# KiCad board MW601_KB.kicad_pcb (continued)
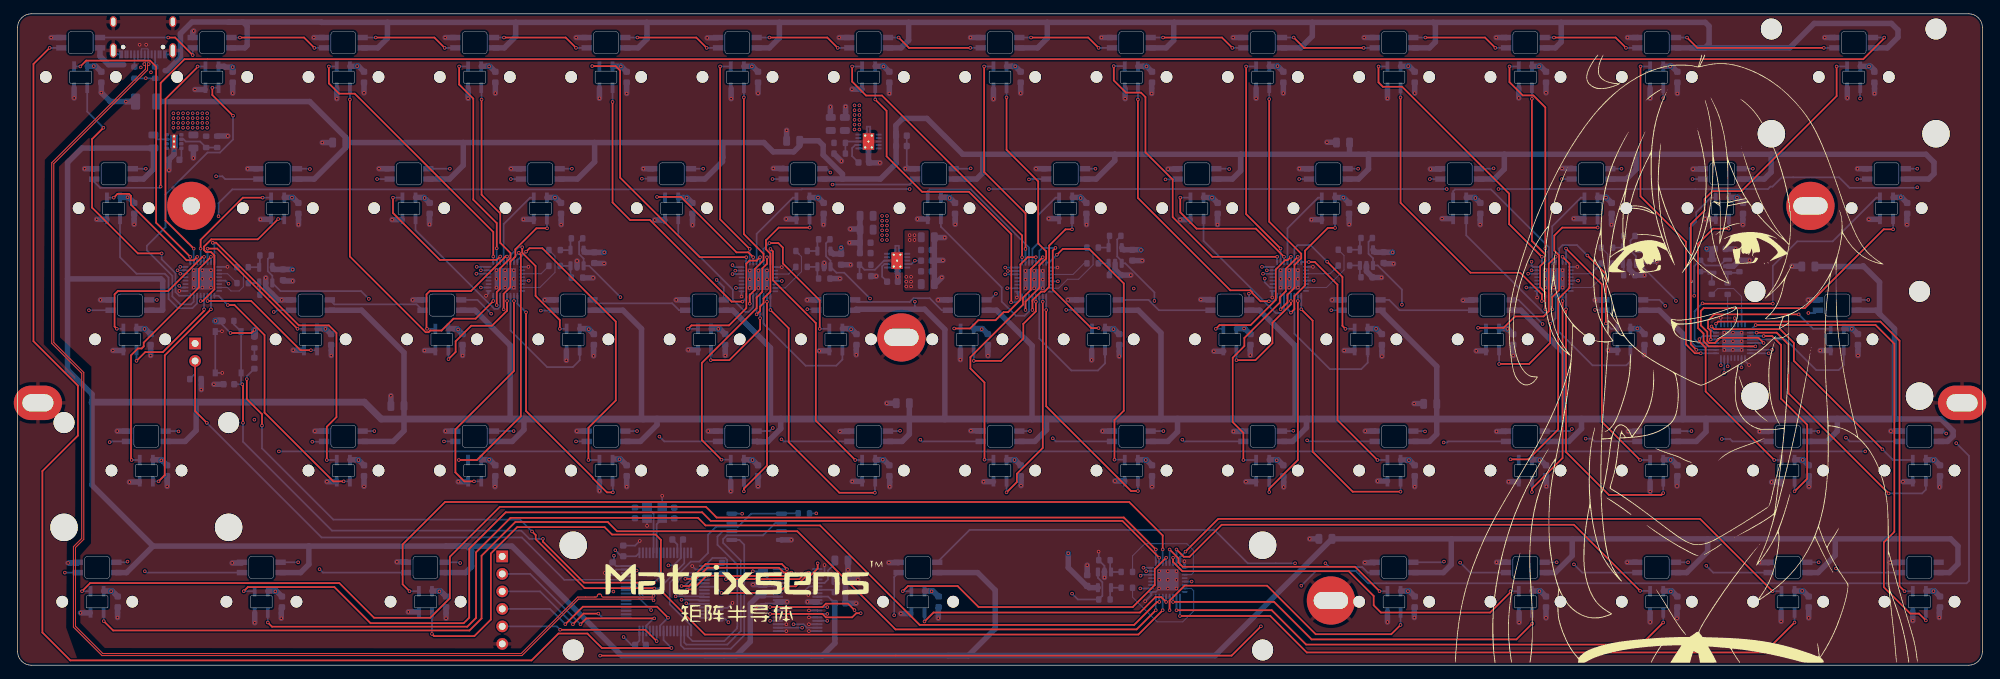
[diagram p0: board, top side]
## Nets (continued)
/Analog/AIN_7P: R37.2 U14.14 U18.1
/Analog/GP0_OUT+: R8.1 U2.27
/Analog/GP0_OUT-: R10.1 U2.31
/Analog/GP1_OUT+: R16.1 U3.27
/Analog/GP1_OUT-: R18.1 U3.31
/Analog/GP2_OUT+: R24.1 U4.27
/Analog/GP2_OUT-: R26.1 U4.31
/Analog/GP3_OUT+: R32.1 U5.27
/Analog/GP3_OUT-: R34.1 U5.31
/Analog/GP4_OUT+: R9.1 U6.27
/Analog/GP4_OUT-: R11.1 U6.31
/Analog/GP5_OUT+: R17.1 U7.27
/Analog/GP5_OUT-: R19.1 U7.31
/Analog/GP6_OUT+: R25.1 U8.27
/Analog/GP6_OUT-: R27.1 U8.31
/Analog/GP7_OUT+: R33.1 U9.27
/Analog/GP7_OUT-: R35.1 U9.31
/Analog/SCLK: U14.37 U23.21
/Analog/SDI: U14.1 U23.23
/Analog/SDO: U14.36 U23.22
/Analog/~{CS}: U14.38 U23.20
/Analog/~{RST/PD}: U14.2 U23.17
/Key Layout/DOUT_L0: D16.2 D17.4
/Key Layout/DOUT_L1: D32.2 D33.4
/Key Layout/DOUT_L2: D48.2 D49.4
/Key Layout/DOUT_L3: D64.2
/Key Layout/LED_SDA: D1.4 U23.41
/Key Layout/OUT_N1: MW1.4 U2.8
/Key Layout/OUT_N2: MW2.4 U2.7
/Key Layout/OUT_N3: MW3.4 U3.8
/Key Layout/OUT_N4: MW4.4 U3.7
/Key Layout/OUT_N5: MW5.4 U4.8
/Key Layout/OUT_N6: MW6.4 U4.7
/Key Layout/OUT_N7: MW7.4 U5.8
/Key Layout/OUT_N8: MW8.4 U5.7
/Key Layout/OUT_N9: MW9.4 U6.8
/Key Layout/OUT_N10: MW10.4 U6.7
/Key Layout/OUT_N11: MW11.4 U7.8
/Key Layout/OUT_N12: MW12.4 U7.7
/Key Layout/OUT_N13: MW13.4 U8.8
/Key Layout/OUT_N14: MW14.4 U8.7
/Key Layout/OUT_N15: MW15.4 U2.6
/Key Layout/OUT_N16: MW16.4 U2.5
/Key Layout/OUT_N17: MW17.4 U3.6
/Key Layout/OUT_N18: MW18.4 U3.5
/Key Layout/OUT_N19: MW19.4 U4.6
/Key Layout/OUT_N20: MW20.4 U4.5
/Key Layout/OUT_N21: MW21.4 U5.6
/Key Layout/OUT_N22: MW22.4 U5.5
/Key Layout/OUT_N23: MW23.4 U6.6
/Key Layout/OUT_N24: MW24.4 U6.5
/Key Layout/OUT_N25: MW25.4 U7.6
/Key Layout/OUT_N26: MW26.4 U7.5
/Key Layout/OUT_N27: MW27.4 U8.6
/Key Layout/OUT_N28: MW28.4 U8.5
/Key Layout/OUT_N29: MW29.4 U2.4
/Key Layout/OUT_N30: MW30.4 U2.3
/Key Layout/OUT_N31: MW31.4 U3.4
/Key Layout/OUT_N32: MW32.4 U3.3
/Key Layout/OUT_N33: MW33.4 U4.4
/Key Layout/OUT_N34: MW34.4 U4.3
/Key Layout/OUT_N35: MW35.4 U5.4
/Key Layout/OUT_N36: MW36.4 U5.3
/Key Layout/OUT_N37: MW37.4 U6.4
/Key Layout/OUT_N38: MW38.4 U6.3
/Key Layout/OUT_N39: MW39.4 U7.4
/Key Layout/OUT_N40: MW40.4 U7.3
/Key Layout/OUT_N41: MW41.4 U8.4
/Key Layout/OUT_N42: MW42.4 U2.2
/Key Layout/OUT_N43: MW43.4 U2.1
/Key Layout/OUT_N44: MW44.4 U3.2
/Key Layout/OUT_N45: MW45.4 U3.1
/Key Layout/OUT_N46: MW46.4 U4.2
/Key Layout/OUT_N47: MW47.4 U4.1
/Key Layout/OUT_N48: MW48.4 U5.2
/Key Layout/OUT_N49: MW49.4 U5.1
/Key Layout/OUT_N50: MW50.4 U6.2
/Key Layout/OUT_N51: MW51.4 U6.1
/Key Layout/OUT_N52: MW52.4 U7.2
/Key Layout/OUT_N53: MW53.4 U7.1
/Key Layout/OUT_N54: MW54.4 U8.3
/Key Layout/OUT_N55: MW55.4 U8.2
/Key Layout/OUT_N56: MW56.4 U9.8
/Key Layout/OUT_N57: MW57.4 U9.7
/Key Layout/OUT_N58: MW58.4 U9.6
/Key Layout/OUT_N59: MW59.4 U9.5
/Key Layout/OUT_N60: MW60.4 U9.4
/Key Layout/OUT_N61: MW61.4 U9.3
/Key Layout/OUT_N62: MW62.4 U9.2
/Key Layout/OUT_N63: MW63.4 U9.1
/Key Layout/OUT_N64: MW64.4 U8.1
/Key Layout/OUT_P1: MW1.2 U2.17
/Key Layout/OUT_P2: MW2.2 U2.18
/Key Layout/OUT_P3: MW3.2 U3.17
/Key Layout/OUT_P4: MW4.2 U3.18
/Key Layout/OUT_P5: MW5.2 U4.17
/Key Layout/OUT_P6: MW6.2 U4.18
/Key Layout/OUT_P7: MW7.2 U5.17
/Key Layout/OUT_P8: MW8.2 U5.18
/Key Layout/OUT_P9: MW9.2 U6.17
/Key Layout/OUT_P10: MW10.2 U6.18
/Key Layout/OUT_P11: MW11.2 U7.17
/Key Layout/OUT_P12: MW12.2 U7.18
/Key Layout/OUT_P13: MW13.2 U8.17
/Key Layout/OUT_P14: MW14.2 U8.18
/Key Layout/OUT_P15: MW15.2 U2.19
/Key Layout/OUT_P16: MW16.2 U2.20
/Key Layout/OUT_P17: MW17.2 U3.19
/Key Layout/OUT_P18: MW18.2 U3.20
/Key Layout/OUT_P19: MW19.2 U4.19
/Key Layout/OUT_P20: MW20.2 U4.20
/Key Layout/OUT_P21: MW21.2 U5.19
/Key Layout/OUT_P22: MW22.2 U5.20
/Key Layout/OUT_P23: MW23.2 U6.19
/Key Layout/OUT_P24: MW24.2 U6.20
/Key Layout/OUT_P25: MW25.2 U7.19
/Key Layout/OUT_P26: MW26.2 U7.20
/Key Layout/OUT_P27: MW27.2 U8.19
/Key Layout/OUT_P28: MW28.2 U8.20
/Key Layout/OUT_P29: MW29.2 U2.21
/Key Layout/OUT_P30: MW30.2 U2.22
/Key Layout/OUT_P31: MW31.2 U3.21
/Key Layout/OUT_P32: MW32.2 U3.22
/Key Layout/OUT_P33: MW33.2 U4.21
/Key Layout/OUT_P34: MW34.2 U4.22
/Key Layout/OUT_P35: MW35.2 U5.21
/Key Layout/OUT_P36: MW36.2 U5.22
/Key Layout/OUT_P37: MW37.2 U6.21
/Key Layout/OUT_P38: MW38.2 U6.22
/Key Layout/OUT_P39: MW39.2 U7.21
/Key Layout/OUT_P40: MW40.2 U7.22
/Key Layout/OUT_P41: MW41.2 U8.21
/Key Layout/OUT_P42: MW42.2 U2.23
/Key Layout/OUT_P43: MW43.2 U2.24
/Key Layout/OUT_P44: MW44.2 U3.23
/Key Layout/OUT_P45: MW45.2 U3.24
/Key Layout/OUT_P46: MW46.2 U4.23
/Key Layout/OUT_P47: MW47.2 U4.24
/Key Layout/OUT_P48: MW48.2 U5.23
/Key Layout/OUT_P49: MW49.2 U5.24
/Key Layout/OUT_P50: MW50.2 U6.23
/Key Layout/OUT_P51: MW51.2 U6.24
/Key Layout/OUT_P52: MW52.2 U7.23
/Key Layout/OUT_P53: MW53.2 U7.24
/Key Layout/OUT_P54: MW54.2 U8.22
/Key Layout/OUT_P55: MW55.2 U8.23
/Key Layout/OUT_P56: MW56.2 U9.17
/Key Layout/OUT_P57: MW57.2 U9.18
/Key Layout/OUT_P58: MW58.2 U9.19
/Key Layout/OUT_P59: MW59.2 U9.20
/Key Layout/OUT_P60: MW60.2 U9.21
/Key Layout/OUT_P61: MW61.2 U9.22
/Key Layout/OUT_P62: MW62.2 U9.23
/Key Layout/OUT_P63: MW63.2 U9.24
/Key Layout/OUT_P64: MW64.2 U8.24
/MCU/A0: U2.15 U3.15 U4.15 U5.15 U6.15 U7.15 U8.15 U9.15 U23.26
/MCU/A1: U2.14 U3.14 U4.14 U5.14 U6.14 U7.14 U8.14 U9.14 U23.27
/MCU/A2: U2.10 U3.10 U4.10 U5.10 U6.10 U7.10 U8.10 U9.10 U23.28
/MCU/BOOT0: J3.2 R4.2 U23.60
/MCU/D+: J2.A6 J2.B6 U23.59
/MCU/D-: J2.A7 J2.B7 U23.58
/MCU/EN: U2.16 U3.16 U4.16 U5.16 U6.16 U7.16 U8.16 U9.16 U23.55
/MCU/LED_Pin: D65.1 U23.14
/MCU/NRST: C76.2 R1.1 SW1.2 U23.7
/MCU/OSC_IN: C78.2 U23.5 Y1.3
/MCU/OSC_OUT: C79.2 U23.6 Y1.1
/MCU/SPI2_MISO: U22.2 U23.35
/MCU/SPI2_MOSI: U22.5 U23.36
/MCU/SPI2_NSS: R38.1 U22.1 U23.33
/MCU/SPI2_SCK: U22.6 U23.34
/MCU/SWCLK: J1.3 U23.49
/MCU/SWDIO: J1.2 U23.46
/MCU/USART1_RX: J1.5 U23.43
/MCU/USART1_TX: J1.4 U23.42
Net-(D1-DOUT): D1.2 D2.4
Net-(D2-DOUT): D2.2 D3.4
Net-(D3-DOUT): D3.2 D4.4
Net-(D4-DOUT): D4.2 D5.4
Net-(D5-DOUT): D5.2 D6.4
Net-(D6-DOUT): D6.2 D7.4
Net-(D7-DOUT): D7.2 D8.4
Net-(D8-DOUT): D8.2 D9.4
Net-(D10-DIN): D9.2 D10.4
Net-(D10-DOUT): D10.2 D11.4
Net-(D11-DOUT): D11.2 D12.4
Net-(D12-DOUT): D12.2 D13.4
Net-(D13-DOUT): D13.2 D14.4
Net-(D14-DOUT): D14.2 D15.4
Net-(D15-DOUT): D15.2 D16.4
Net-(D17-DOUT): D17.2 D18.4
Net-(D18-DOUT): D18.2 D19.4
Net-(D19-DOUT): D19.2 D20.4
Net-(D20-DOUT): D20.2 D21.4
Net-(D21-DOUT): D21.2 D22.4
Net-(D22-DOUT): D22.2 D23.4
Net-(D23-DOUT): D23.2 D24.4
Net-(D24-DOUT): D24.2 D25.4
Net-(D25-DOUT): D25.2 D26.4
Net-(D26-DOUT): D26.2 D27.4
Net-(D27-DOUT): D27.2 D28.4
Net-(D28-DOUT): D28.2 D29.4
Net-(D29-DOUT): D29.2 D30.4
Net-(D30-DOUT): D30.2 D31.4
Net-(D31-DOUT): D31.2 D32.4
Net-(D33-DOUT): D33.2 D34.4
Net-(D34-DOUT): D34.2 D35.4
Net-(D35-DOUT): D35.2 D36.4
Net-(D36-DOUT): D36.2 D37.4
Net-(D37-DOUT): D37.2 D38.4
Net-(D38-DOUT): D38.2 D39.4
Net-(D39-DOUT): D39.2 D40.4
Net-(D40-DOUT): D40.2 D41.4
Net-(D41-DOUT): D41.2 D42.4
Net-(D42-DOUT): D42.2 D43.4
Net-(D43-DOUT): D43.2 D44.4
Net-(D44-DOUT): D44.2 D45.4
Net-(D45-DOUT): D45.2 D46.4
Net-(D46-DOUT): D46.2 D47.4
Net-(D47-DOUT): D47.2 D48.4
Net-(D49-DOUT): D49.2 D50.4
Net-(D50-DOUT): D50.2 D51.4
Net-(D51-DOUT): D51.2 D52.4
Net-(D52-DOUT): D52.2 D53.4
Net-(D53-DOUT): D53.2 D54.4
Net-(D54-DOUT): D54.2 D55.4
Net-(D55-DOUT): D55.2 D56.4
Net-(D56-DOUT): D56.2 D57.4
Net-(D57-DOUT): D57.2 D58.4
Net-(D58-DOUT): D58.2 D59.4
Net-(D59-DOUT): D59.2 D60.4
Net-(D60-DOUT): D60.2 D61.4
Net-(D61-DOUT): D61.2 D62.4
Net-(D62-DOUT): D62.2 D63.4
Net-(D63-DOUT): D63.2 D64.4
Net-(D65-A): D65.2 R5.1
Net-(J2-CC1): J2.A5 R2.1
Net-(J2-CC2): J2.B5 R3.1
Net-(U10-+): R6.1 R8.2 U10.3
Net-(U10--): R10.2 R12.1 U10.4
Net-(U11-+): R7.1 R9.2 U11.3
Net-(U11--): R11.2 R13.1 U11.4
Net-(U12-+): R14.1 R16.2 U12.3
Net-(U12--): R18.2 R20.1 U12.4
Net-(U13-+): R15.1 R17.2 U13.3
Net-(U13--): R19.2 R21.1 U13.4
Net-(U14-REFCAP): C84.1 C85.1 U14.7
Net-(U14-REFIO): C83.1 U14.5
Net-(U15-+): R22.1 R24.2 U15.3
Net-(U15--): R26.2 R28.1 U15.4
Net-(U16-+): R23.1 R25.2 U16.3
Net-(U16--): R27.2 R29.1 U16.4
Net-(U17-+): R30.1 R32.2 U17.3
Net-(U17--): R34.2 R36.1 U17.4
Net-(U18-+): R31.1 R33.2 U18.3
Net-(U18--): R35.2 R37.1 U18.4
Net-(U19-FB): R39.2 R40.1 U19.6
Net-(U19-SS/TR): C96.1 U19.8
Net-(U20-FB): R41.2 R42.1 U20.8
Net-(U20-SS): C106.1 U20.7
Net-(U21-FB): R43.2 R44.1 U21.8
Net-(U21-SS): C111.1 U21.7

Pads without a net: J2 A8 B8; U2 11 12 13 26 28 30 32; U3 11 12 13 26 28 30 32; U4 11 12 13 26 28 30 32; U5 11 12 13 26 28 30 32; U6 11 12 13 26 28 30 32; U7 11 12 13 26 28 30 32; U8 11 12 13 26 28 30 32; U9 11 12 13 26 28 30 32; U14 35; U19 7; U20 3; U21 3; U22 3 7; U23 2 3 4 8 9 10 11 15 16 24 25 29 30 37 38 39 40 44 45 50 51 52 53 54 56 57 61 62

## Via types
v1: diameter 0.5, hole 0.3, Top to Bottom, 955 vias

## Routing (per net, layer and track width the routed paths; a pad name or vN(x,y) marks a point on that pad's centre or on a via; arc(x,y) is an arc through that point)
+3V3: length 519.8
  Top w0.25: v1(34.37,48.7) 33.91,48.25 v1(30.88,48.25)
  In1.Cu w0.8: v1(129.6,56.4) v1(129.6,55.7) 129.25,55.35 ; v1(128.9,56.4) v1(128.9,55.7) 129.25,55.35 ; 129.25,55.35 v1(129.6,55) ; 129.25,55.35 v1(128.9,55)
  In1.Cu w1: v1(188,55.85) 188,54.7 188.4,54.7 ; 227.9,54.7 244.76,54.7 v1(249.06,50.4) ; 227.9,54.7 226.35,54.7 v1(226.35,55.85) ; 227.9,54.7 227.9,52.6 225.95,50.65 220.4,50.65 216.35,54.7 189.8,54.7 ; 188.4,54.7 188.4,49.8 181.8,49.8 179.85,51.75 179.85,54.25 179.18,54.92 162.12,54.92 v1(161.9,54.7) ; 188.4,54.7 189.8,54.7 ; 188.4,54.7 189.8,54.7 ; 151.2,54.7 v1(152.05,54.7) ; 151.2,54.7 151.2,55.45 v1(150.9,55.75) ; 151.2,54.7 150.9,54.4 150.9,49.8 144.25,49.8 140.45,53.6 140.45,54.7 112.4,54.7 ; 112.4,54.7 112.4,50.8 110.7,49.1 106.15,49.1 102.25,53 102.25,54.7 78,54.7 ; 112.4,54.7 110.85,54.7 v1(110.85,55.8) ; 78,54.7 77.97,54.67 77.97,51.57 76.1,49.7 68.1,49.7 66.2,51.6 66.2,53.7 65.2,54.7 34.35,54.7 ; 78,54.7 74.2,54.7 74.15,54.75 v1(74.15,55.85) ; 34.35,54.7 31.3,54.7 v1(30.6,55.4) ; 34.35,54.7 v1(34.35,35.65)
  In2.Cu w0.8: v1(111.6,12) 111.61,12 112.06,11.55 138.15,11.55 143.8,5.9 169.6,5.9 170.3,6.6 v1(170.3,12.15) ; 87.9,13.55 86.52,14.93 71.17,14.93 J1.1
  In2.Cu w1: v1(152.05,54.7) v1(161.9,54.7) ; 29.3,57.15 29.3,56.7 v1(30.6,55.4) ; 29.3,57.15 29.3,50.6 v1(28.7,50) 25.75,47.05 J3.1 ; 29.3,57.15 29.3,61.8 30.2,62.7 30.2,75.35 v1(27.5,78.05) ; v1(34.35,35.65) 34.35,26.5 43.7,17.15 68.95,17.15 J1.1
  Bottom w0.25: v1(249.06,50.4) 249.06,49.72 ; v1(94.4,14.5) 95.15,14.5 96.2,15.55 U23.13 96.2,17.92 C113.2 ; v1(95.6,12.1) 96.9,13.4 99.85,13.4 99.92,13.33 C114.2 ; v1(86.5,15.9) 86.5,15.12 86.3,14.92 86.83,14.4 89.15,14.4 v1(89.8,13.75) ; U22.8 105.09,22 v1(105.1,22) ; 108.1,13.48 108.1,13.34 109.48,11.96 110.3,11.96 ; 108.1,13.48 C82.1 ; 108.1,13.48 C82.1 ; v1(170.3,12.15) U9.29 169.28,12.15 ; 99.62,6.9 101.82,6.9 101.95,6.78 102.58,6.78 v1(103.1,6.25) ; U7.29 v1(226.35,55.85) ; v1(30.6,55.4) 30.15,55.85 U2.29 ; 73.16,55.85 U3.29 v1(74.15,55.85) ; C82.1 106.69,13.61 v1(106.65,13.65) ; 110.3,11.96 111.56,11.96 v1(111.6,12) ; 110.3,11.96 110.3,11.96 ; U6.29 v1(188,55.85) ; R38.2 v1(115.85,22.05) ; 110.29,11.95 U14.34 110.29,11.95 ; 110.29,11.95 110.3,11.96 ; U5.29 v1(150.9,55.75) ; 110.3,11.96 110.29,11.96 ; U23.48 90.2,3.58 C73.2 89.05,2.95 v1(87.9,4.1) ; 34.35,48.19 34.37,48.2 v1(34.37,48.7) ; v1(30.88,48.25) 29.21,49.92 29.21,50 ; U4.29 v1(110.85,55.8) ; U23.1 89.7,15.83 C75.2 87.58,15.83 v1(86.7,16.7)
  Bottom w1: 34.35,47.72 34.35,48.65 ; R1.2 v1(28.7,50)
  vias: v1(22.6,80.15) v1(22.6,79.45) v1(22.6,78.75) v1(22.6,78.05) v1(23.3,80.15) v1(23.3,79.45) v1(23.3,78.75) v1(23.3,78.05) v1(24,80.15) v1(24,79.45) v1(24,78.75) v1(24,78.05) v1(24.7,80.15) v1(24.7,79.45) v1(24.7,78.75) v1(24.7,78.05) v1(25.4,80.15) v1(25.4,79.45) v1(25.4,78.75) v1(25.4,78.05) v1(26.1,80.15) v1(26.1,79.45) v1(26.1,78.75) v1(26.1,78.05) v1(26.8,80.15) v1(26.8,79.45) v1(26.8,78.75) v1(26.8,78.05) v1(27.5,80.15) v1(27.5,79.45) v1(27.5,78.75) v1(129.4,62.45) v1(129.4,61.75) v1(130.1,62.45) v1(130.1,61.75)
+5V: length 1851.4
  In2.Cu w0.25: v1(130.15,58.75) v1(130.15,52.8)
  Bottom w0.25: 108.19,10.05 108.14,10.09 ; 108.19,10.05 108.14,10.09 ; 108.19,10.05 108.27,9.96 110.28,9.96 ; 108.14,10.09 C80.1 ; 108.14,10.09 C80.1 ; 108.14,10.09 C80.1 ; 110.29,9.96 110.28,9.96 ; 110.28,9.96 U14.30 ; C97.1 v1(130.15,58.75) 129.65,58.25 U20.4 ; 118.05,9.49 117.58,9.96 116.02,9.96 ; 118.05,9.49 118.29,9.25 ; 118.05,9.49 118.29,9.25 ; 118.29,9.25 C81.1 ; 118.29,9.25 C81.1 ; 118.29,9.25 C81.1 ; 116.02,9.96 U14.9 ; 116.02,9.96 116.01,9.96 ; v1(130.15,52.8) 130.15,51.75 130.2,51.7
  Bottom w0.8: D45.1 90.35,32.5 92.75,34.9 92.75,35.75 ; 207.95,18.35 207.95,14.6 206.8,13.45 D60.1 ; 207.95,18.35 225.5,18.35 ; 207.95,18.35 C72.1 173.7,1.4 137.9,1.4 ; D62.1 242.1,13.45 245.15,16.5 245.15,18.35 ; 42.25,17.3 42.25,14.65 41.05,13.45 D57.1 ; 42.25,17.3 19.65,17.3 ; 42.25,17.3 62.15,17.3 ; 129.25,93.35 149.35,93.35 ; 129.25,93.35 129.25,90.75 128.15,89.65 D7.1 ; 129.25,93.35 110.5,93.35 ; 149.35,93.35 167.75,93.35 ; 149.35,93.35 149.35,91.05 147.95,89.65 D8.1 ; 99.7,1.4 102.5,1.4 ; 99.7,1.4 87.6,1.4 71.7,17.3 65.2,17.3 ; 99.7,1.4 102.5,1.4 ; 102.5,1.4 104.25,1.4 106.28,3.43 106.28,8.93 107.49,10.14 C80.1 ; 102.5,1.4 115.1,1.4 ; 187.8,93.35 205.35,93.35 ; 187.8,93.35 167.75,93.35 ; 187.8,93.35 187.8,91.35 186.1,89.65 D10.1 ; 205.35,93.35 223.9,93.35 ; 205.35,93.35 205.65,93.05 205.65,90.5 204.8,89.65 D11.1 ; 270.07,51.03 272.25,48.85 272.25,35.75 279.01,35.75 280.75,34.01 280.75,33.3 279.95,32.5 D55.1 ; 270.07,51.03 269.55,51.55 D41.1 ; 270.07,51.03 270.07,55.62 267.7,58 267.6,57.9 C68.1 ; 32.7,93.4 33.3,92.8 33.3,90 32.95,89.65 D2.1 ; 32.7,93.4 30.6,93.4 ; 32.7,93.4 44.05,93.4 44.1,93.35 53.65,93.35 ; 32.7,93.4 30.6,93.4 ; C67.1 193.2,74.25 193.25,74.2 ; 7.25,56.1 7.25,42.9 10.8,39.35 10.8,26.15 19.65,17.3 ; 7.25,56.1 7.25,73 9.35,75.1 C95.1 19.7,72.04 18.26,70.6 D15.1 ; 7.25,56.1 20.79,56.1 21.05,55.84 21.05,51.6 21,51.55 D29.1 ; 110.5,93.35 110.5,91.1 109.05,89.65 D6.1 ; 110.5,93.35 91.25,93.35 ; 19.65,17.3 15.8,13.45 D56.1 ; 254.35,74.2 254.35,71.6 253.35,70.6 250.07,70.6 ; 254.35,74.2 234.75,74.2 ; 254.35,74.2 276.8,74.2 277.98,73.03 277.98,71.38 277.2,70.6 D28.1 ; 72.25,93.35 91.25,93.35 ; 72.25,93.35 72.25,91.3 70.6,89.65 D4.1 ; 72.25,93.35 53.65,93.35 ; 91.25,93.35 91.3,93.3 91.3,90.95 90,89.65 D5.1 ; 223.9,93.35 223.9,90.5 223.05,89.65 D12.1 ; 223.9,93.35 244.8,93.35 245.35,92.8 245.35,90.25 244.75,89.65 ; D39.1 218.05,51.55 224.35,45.25 224.35,35.75 ; 134.5,35.75 134.5,48.75 131.55,51.7 121.64,51.7 D34.1 ; D19.1 99.7,70.6 102.25,73.15 102.25,73.7 102.3,73.75 102.3,75.9 ; D40.1 238.1,51.55 241.6,48.05 241.6,35.8 241.55,35.75 ; D42.1 24.3,32.5 25.9,34.1 25.9,38.2 ; C65.1 47.6,76.62 42.38,81.85 C77.1 ; C65.1 64.65,75.9 ; C65.1 47.6,75.17 43.02,70.6 D16.1 ; D44.1 71.75,32.5 73.45,34.2 73.45,35.75 ; 15.4,87.2 13.2,87.2 11.95,88.45 D1.1 ; 245.15,18.35 263.65,18.35 ; 245.15,18.35 225.5,18.35 ; 263.65,18.35 263.65,15.95 261.15,13.45 D63.1 ; 263.65,18.35 280.4,18.35 281.45,17.3 281.45,14.7 280.2,13.45 D64.1 ; D53.1 243.5,32.5 244.9,33.9 244.9,35.75 ; D18.1 81.2,70.6 83.7,73.1 83.7,75.9 ; 65.2,17.3 62.15,17.3 ; 65.2,17.3 65.85,16.65 65.85,14.3 65,13.45 D58.1 ; 65.2,17.3 62.15,17.3 ; 195.95,74.2 195.95,72.05 194.5,70.6 D24.1 ; 195.95,74.2 215.65,74.2 ; 195.95,74.2 193.25,74.2 ; 165.9,35.75 165.85,35.8 165.85,48.25 162.55,51.55 D36.1 ; 109,35.75 109.2,35.95 109.2,46.09 103.74,51.55 D33.1 ; D25.1 214.2,70.6 215.65,72.05 215.65,74.2 ; 137.9,1.4 141.8,5.3 141.8,10.9 139.25,13.45 D59.1 ; 137.9,1.4 134.95,1.4 ; 137.9,1.4 134.95,1.4 ; 53.65,93.35 53.65,91.05 52.25,89.65 D3.1 ; 244.75,89.65 242.7,89.65 ; 244.75,89.65 257.05,89.65 260.6,93.2 271.8,93.2 272.75,92.25 272.75,91.2 271.2,89.65 D14.1 ; 244.75,89.65 242.7,89.65 ; 242.7,89.65 D13.1 ; 30.6,93.4 25.3,93.4 23.62,91.72 23.62,88.26 21.71,86.35 21.4,86.35 ; D26.1 233.35,70.6 234.75,72 234.75,74.2 ; D43.1 54.5,32.5 56.05,34.05 C69.1 56.05,45.4 49.9,51.55 D30.1 ; 110.7,35.75 110.7,34.35 108.8,32.45 107.3,32.45 107.25,32.5 D46.1 ; 119.65,70.6 125.15,70.6 127.42,72.88 C108.1 C107.1 127.42,77.38 127.4,77.4 127.4,78.4 128.4,79.4 131.9,79.4 137.1,74.2 140.15,74.2 ; 119.65,70.6 D20.1 ; 119.65,70.6 119.65,71.31 116.85,74.11 116.85,75.5 116.2,76.15 C66.1 113.45,75.42 112.58,74.55 109.6,74.55 108.25,75.9 102.3,75.9 ; 185.1,35.75 185.3,35.95 185.3,46.4 180.15,51.55 D37.1 ; 234.75,74.2 215.65,74.2 ; 225.5,18.35 225.5,15.9 223.05,13.45 D61.1 ; D14.1 269,89.65 ; D14.1 269,89.65 ; 269,89.65 268.95,89.6 ; 64.65,75.9 64.65,72.6 62.65,70.6 D17.1 ; 64.65,75.9 83.7,75.9 ; 135.78,70.6 139.1,70.6 140,71.5 140,74.05 140.15,74.2 ; 116.75,1.4 134.95,1.4 ; 116.75,1.4 115.1,1.4 ; 116.75,1.4 115.1,1.4 ; 116.75,1.4 118.55,3.2 118.55,3.85 118.52,3.88 C81.1 ; C70.1 129.35,33.55 128.3,32.5 D47.1 ; 102.3,75.9 83.7,75.9 ; 71.45,35.75 71.45,46.45 66.35,51.55 D31.1 ; 177.4,74.2 177.4,71.8 176.2,70.6 173.88,70.6 ; 177.4,74.2 159.15,74.2 ; 177.4,74.2 193.25,74.2 ; 167.75,93.35 167.7,93.3 167.7,90.75 166.6,89.65 D9.1 ; 226.85,35.75 226.85,34.35 225,32.5 D52.1 ; 187,35.75 186.95,35.7 186.95,34.5 184.95,32.5 D50.1 ; D35.1 142,51.55 147.15,46.4 147.15,35.75 ; 263.95,35.75 263.95,34 262.45,32.5 D54.1 ; 140.15,74.2 159.15,74.2 ; D51.1 204.8,32.5 205.85,33.55 C71.1 205.85,43.39 D38.1 ; 159.15,74.2 159.15,73.3 156.45,70.6 D22.1 ; 149.25,35.75 149.25,34.2 147.55,32.5 D48.1 ; D32.1 87.8,51.55 90.5,48.85 90.5,36 90.75,35.75 ; D49.1 166.85,32.5 168.25,33.9 168.25,35.75
  Bottom w1: 10.8,38.2 50.3,38.2 52.75,35.75 272.25,35.75
GND: length 546.9
  Bottom w0.25: 68.28,54.35 68.28,54.19 68.3,54.17 ; 110.29,9.44 U14.29 ; 110.29,9.44 U14.29 ; 110.29,9.44 110.29,9.42 ; 110.29,9.44 U14.29 ; 110.29,9.44 110.29,9.42 ; 110.29,9.44 110.29,9.42 ; 110.29,9.44 U14.29 ; 110.29,9.44 U14.29 ; 110.29,9.44 110.29,9.42 ; U14.29 110.29,9.46 ; 169.28,14.37 169.29,14.36 U9.25 ; 169.28,14.37 169.28,14.6 169.25,14.62 ; 169.28,14.37 169.28,14.15 ; 164.45,10.42 164.45,10.2 v1(163.55,9.3) ; 164.45,10.42 164.45,10.65 ; 164.45,10.42 164.41,10.46 U9.9 165.09,10.65 v1(165.59,11.15) ; C19.2 97.88,64.69 97.9,64.66 ; 118.45,74.25 118.42,74.28 R44.2 ; 250.55,44.6 250.55,44.13 ; 250.55,44.13 250.56,44.14 250.56,44.38 ; 250.55,44.13 250.62,44.13 v1(251.15,43.6) ; 110.29,9.42 110.29,9.42 ; 110.29,9.42 110.29,9.42 ; 110.29,9.42 110.29,9.42 ; 110.29,9.42 110.29,9.42 ; 122.3,83.65 MW7.3 ; C17.2 59.77,64.79 59.75,64.76 ; 127.09,57.89 126.95,57.75 U20.6 ; 139.65,34.05 D48.3 ; R4.1 26.63,40.76 26.65,40.74 ; 119.48,58.15 C88.1 ; C23.2 174.08,64.74 174.05,64.71 ; 110.29,11.21 110.29,11.33 ; 110.29,11.21 110.29,11.33 ; 110.29,11.21 110.29,10.96 ; 110.29,11.33 110.29,11.39 ; 110.29,11.33 110.29,11.39 ; 110.29,11.33 110.29,11.39 ; 50.25,27.4 C43.2 ; 110.29,11.39 110.29,11.42 ; 110.29,11.39 110.29,11.42 ; 110.29,11.39 110.29,11.42 ; 110.29,11.39 110.29,11.42 ; 110.29,10.89 110.29,10.92 ; 110.29,10.89 110.29,10.83 ; 110.29,10.89 110.29,10.92 ; 110.29,10.89 110.29,10.83 ; 110.29,10.89 110.29,10.83 ; 110.29,10.89 110.29,10.92 ; 110.29,10.89 110.29,10.92 ; 110.29,10.92 U14.32 ; 110.29,10.92 U14.32 ; 110.29,10.92 110.29,10.92 U14.32 ; 110.29,10.92 U14.32 ; 110.29,10.92 U14.32 ; 220.4,54.11 220.4,53.88 ; 220.4,54.11 220.4,54.35 ; 220.4,54.11 220.41,54.13 U7.9 ; 220.4,53.88 v1(220.4,53.41) ; 220.4,53.88 220.41,53.89 220.41,54.12 ; 88.35,27.35 C45.2 ; 269.35,83.76 269.32,83.79 C14.2 ; 110.29,10.46 110.29,10.46 ; 110.29,10.46 110.29,10.46 ; 110.29,10.46 110.29,10.46 ; 110.29,10.46 110.29,10.46 ; 110.29,10.46 110.29,10.45 ; 116.01,9.44 U14.10 ; 116.01,9.44 U14.10 ; 116.01,9.44 U14.10 ; 116.01,9.44 U14.10 ; 116.01,9.44 116.01,9.42 ; 116.01,9.44 U14.10 ; 116.01,9.44 116.01,9.42 ; 116.01,9.44 116.01,9.42 ; 116.01,9.44 116.01,9.42 ; U14.10 116.01,9.46 ; U14.32 110.29,10.96 ; 240.7,7.54 240.75,7.59 C62.2 ; C27.2 250.28,64.74 250.25,64.71 ; v1(166.84,12.4) U9.33 ; 145.01,54.12 145.01,53.99 145.1,53.9 ; C104.2 122.17,61.54 122.2,61.56 ; 31.2,84.55 C2.2 ; 112.95,64.8 MW20.3 ; v1(156.8,16.5) 156.83,16.47 R31.2 157.65,14.42 U18.2 ; U14.26 v1(111.5,7.95) ; 129.48,72.1 128.98,72.6 C108.2 C107.2 ; 231.2,64.71 231.23,64.74 C26.2 ; 117,58.06 116.96,58.02 U15.2 ; 36.92,53.92 R6.2 ; v1(85.15,13.4) 85.17,13.38 C112.1 86.83,13.9 88.27,13.9 ; 69.25,26.64 69.3,26.69 C44.2 ; U14.3 116.75,12.95 117.05,13.25 v1(117.05,14.55) ; U14.3 116.01,12.89 ; U14.3 116.01,12.89 ; U14.3 116.01,12.89 ; 110.29,9.42 110.29,9.39 ; 110.29,9.42 110.29,9.39 ; 110.29,9.42 110.29,9.39 ; C101.2 132.78,60.48 132.98,60.48 ; 107.4,27.4 C46.2 ; U14.19 v1(114.79,4.95) ; U14.13 v1(114.79,7.95) ; 132.8,58.8 132.65,58.8 C97.2 ; 197.89,46.06 197.89,45.6 197.9,45.59 ; 145.5,84.55 C8.2 ; 110.29,10.71 110.29,10.59 ; 110.29,10.71 110.29,10.83 ; 110.29,10.71 110.29,10.83 ; 110.29,10.59 110.29,10.59 ; 110.29,10.59 110.29,10.59 ; 116.01,11.46 116.05,11.42 116.04,11.42 U14.6 114.8,11.45 v1(113.95,10.6) ; 68.3,54.26 68.3,54.17 ; 68.3,54.26 68.3,54.35 ; 68.3,54.26 68.31,54.28 U3.9 ; 68.3,54.17 68.3,54 v1(67.95,53.65) ; 110.29,10.45 U14.31 110.29,10.45 ; 34.85,72.1 D16.3 ; 240.7,26.74 240.75,26.79 C53.2 ; C42.2 21.68,26.71 21.7,26.69 ; C52.2 221.7,26.74 221.75,26.69 ; C9.2 164.55,83.81 164.5,83.76 ; 116.01,8.96 116.01,8.96 ; 116.01,8.96 116.01,8.96 ; 116.01,8.96 116.01,8.96 ; 116.01,8.96 116.01,8.96 ; 116.01,8.96 116.01,8.95 ; J2.B12 J2.A1 14.45,88.7 J2.S1 ; 8.63,14.85 D56.3 ; C82.2 108.13,11.68 ; C82.2 108.13,11.68 ; C82.2 108.23,11.59 ; C82.2 108.16,11.65 ; 108.13,11.68 108.16,11.65 ; 116.01,12.46 116.01,12.46 ; 116.01,12.46 116.01,12.46 ; 116.01,12.46 116.01,12.46 ; 116.01,12.46 116.01,12.46 ; 116.01,12.46 116.01,12.45 ; 69.3,84.55 C4.2 ; 145.1,54.25 145.1,53.9 ; 145.1,53.9 145.1,53.55 v1(144.95,53.4) ; C91.1 236.32,58.7 236.35,58.7 ; 116.01,12.84 116.01,12.89 ; 116.01,12.84 116.01,12.89 ; 116.01,12.84 116.01,12.84 ; 116.01,12.84 116.01,12.84 ; C35.2 140.74,45.65 140.75,45.64 ; C100.2 132.73,57.08 132.98,57.08 ; 161.73,58.75 161.7,58.78 ; C59.2 133.59,7.58 133.55,7.54 ; 266.95,45.71 266.94,45.72 266.94,46.12 ; 28.72,48.5 SW1.1 SW1.1 ; 28.72,48.5 28.7,48.5 ; 28.72,48.5 v1(29.64,48.5) ; U20.11 127.83,60.91 127.33,60.91 U20.11 127.33,59.69 127.18,59.69 127.09,59.61 ; U7.25 v1(226.24,57.85) ; 169.25,14.62 v1(169.25,15.09) ; 169.25,14.62 169.25,14.15 ; C56.2 14.53,7.67 14.5,7.64 ; 221.7,84.6 C12.2 ; v1(117,58.41) 116.96,58.38 116.96,58.12 ; 116.01,12.71 116.01,12.46 ; 116.01,12.71 116.01,12.84 ; 116.01,12.71 116.01,12.46 ; 116.01,12.46 116.01,12.46 ; 155.15,13.1 C93.1 ; C24.2 193.12,64.79 193.15,64.76 ; U21.11 123.23,74.44 123.42,74.44 ; 110.29,11.42 U14.33 ; 110.29,11.42 110.29,11.42 U14.33 ; 110.29,11.42 U14.33 ; 110.29,11.42 U14.33 ; 110.29,11.42 U14.33 ; 127.67,56.83 127.83,56.98 U20.11 ; D6.3 101.55,91.1 101.5,91.1 ; 62.15,7.54 62.16,7.54 C58.2 ; 212.15,64.71 212.18,64.74 C25.2 ; 82.5,91.15 D5.3 ; 247.05,49.97 v1(247.05,50.44) ; 247.05,49.97 247.05,49.5 ; 247.05,49.97 247.06,49.96 247.06,49.72 ; 178.8,45.74 178.84,45.78 178.84,46.15 ; 50.25,84.6 C3.2 ; C33.2 102.64,45.7 102.65,45.69 ; U4.25 v1(110.84,57.8) ; 64.55,45.71 64.54,45.72 C31.2 ; 116.01,9.39 116.01,9.42 ; 116.01,9.39 116.01,9.42 ; 116.01,9.39 116.01,9.33 ; 116.01,9.39 116.01,9.33 ; 116.01,9.39 116.01,9.42 ; 116.01,9.42 116.01,9.42 ; 116.01,9.42 116.01,9.42 ; 116.01,9.42 116.01,9.42 ; 116.01,9.42 116.01,9.42 ; v1(111.56,10.96) 110.29,10.96 ; 116.01,9.2 116.01,9.08 ; 116.01,9.2 116.01,9.33 ; 116.01,9.2 116,9.2 ; 116.01,9.08 116.01,8.96 ; 116.01,9.08 116.01,8.96 ; C60.2 202.65,7.69 202.6,7.64 ; 196.55,56.3 R7.2 ; 110.29,10.59 110.29,10.46 ; 110.29,10.59 110.29,10.46 ; 110.29,10.46 110.29,10.46 ; U14.4 v1(114.65,12.45) ; U14.4 116.01,12.45 ; U14.4 116.01,12.45 ; 88.35,84.5 C5.2 ; C110.2 117.95,80.29 117.9,80.34 ; U21.11 123.67,78.21 123.17,78.21 U21.11 123.17,76.99 123.03,76.99 U21.11 ; v1(23.46,54.35) U2.9 24.4,54.35 ; 253.95,14.9 D63.3 ; 244.43,72.05 D27.3 ; C57.2 38.34,7.63 38.25,7.54 ; 45.5,45.71 45.49,45.72 C30.2 ; 110.29,9.39 110.29,9.33 ; 110.29,9.39 110.29,9.33 ; v1(111.51,5.95) U14.22 ; R40.2 28.97,76.85 29.03,76.85 ; 116.01,8.95 U14.11 116.01,8.95 ; 120.1,80.39 120,80.29 C109.2 ; 110.29,9.33 110.29,8.96 110.28,8.96 ; 116.01,8.96 116.01,8.96 ; 183.6,84.55 C10.2 ; 110.8,18.2 U22.4 ; 136,64.76 135.98,64.79 C21.2 ; 108.29,8.78 108.48,8.96 110.28,8.96 ; 168.23,72.05 D23.3 ; 149.2,72.1 149.23,72.1 ; 278.8,26.59 278.85,26.64 C55.2 ; J2.S1 21.96,88.7 J2.A12 J2.B1 ; 225.38,72.15 D26.3 ; C79.1 95.15,22.97 Y1.4 v1(93.5,24.6) ; 274.05,64.71 274.09,64.75 C28.2 ; v1(114.79,5.95) U14.17 ; 278.75,7.64 278.85,7.74 C64.2 ; 108.23,11.59 108.35,11.46 110.29,11.46 U14.33 ; 108.23,11.59 108.16,11.65 ; 196.8,14.9 D60.3 ; C75.1 89.58,17.38 v1(90.25,18.05) ; 206.33,72.05 D25.3 ; C54.2 259.8,26.69 259.85,26.64 ; 116.9,64.71 116.92,64.74 C20.2 ; v1(97.85,14.4) 98.35,13.9 101.23,13.9 C114.1 ; C15.2 16.91,64.78 16.9,64.76 ; 182,54.35 182,54.11 ; 182,54.11 182,53.88 ; 182,54.11 182.01,54.13 U6.9 ; U21.11 123.67,75.11 123.56,75.11 123.42,75.25 ; 153.8,53.05 D36.3 ; 117.85,56.15 R22.2 ; C40.2 235.99,45.83 235.95,45.79 ; C78.1 91.22,21.35 Y1.2 v1(91.3,20.25) ; 121.65,45.79 121.69,45.83 121.69,46.17 ; 111.55,76.2 C66.2 ; 110.28,8.96 U14.28 ; 83.55,45.64 83.59,45.67 C32.2 ; 82.05,56.25 82.01,56.25 R14.2 ; C18.2 78.83,64.74 78.85,64.71 ; C22.2 155.03,64.74 155.05,64.71 ; 53.9,72.1 D17.3 ; C16.2 40.72,64.74 40.75,64.71 ; 164.55,27.35 C49.2 ; v1(114.7,10.2) 114.95,10.45 U14.8 ; v1(74.09,57.85) U3.25 73.15,57.85 ; U21.6 122.8,75.05 U21.11 ; 38.62,55.8 C86.1 ; C50.2 183.6,26.64 183.65,26.59 ; 182,53.88 182.01,53.89 182.01,54.12 ; 182,53.88 v1(182,53.41) ; 234.62,56.65 R15.2 ; U20.11 127.36,57.23 127.67,57.23 ; 32.44,14.85 D57.3 ; 126.45,84.5 C7.2 ; 129.49,7.5 MW59.3 ; 259.8,8.3 C63.2 ; C113.1 95.7,17.53 U23.12 ; 45.67,75.9 C65.2 ; U2.25 v1(30.45,57.85) ; 240.75,84.5 C13.2 ; C39.2 216.94,45.7 216.95,45.69 ; 111.08,72.15 D20.3 ; 127.74,14.9 D59.3 ; 202.65,84.55 C11.2 ; 54.15,37.7 C69.2 ; C29.2 19.29,45.72 19.3,45.71 ; 159.8,45.59 159.79,45.6 C36.2 ; 234.9,14.95 D62.3 ; C95.2 20.32,76.38 U19.3 22.37,76.38 U19.9 ; U5.25 v1(150.84,57.75) ; v1(105,53.55) 105,54.29 U4.9 ; 158.7,91.15 D9.3 ; 202.65,27.35 C51.2 ; 160.05,56.65 R30.2 ; 215.85,33.95 D52.3 ; 177.75,33.95 D50.3 ; v1(111.51,6.95) U14.24 ; 221.7,8.3 C61.2 ; 126.5,26.64 126.45,26.69 C47.2 ; 234.9,33.95 D53.3 ; C73.1 90.7,3.38 U23.47 ; 107.4,84.55 C6.2 ; 108.06,8.55 C80.2 ; R3.2 18.63,85.22 v1(18.6,85.25) 18.57,85.22 R2.2 ; 83.7,58.35 C87.1 ; 191.25,75.95 C67.2 ; v1(103.7,9.05) 102.98,8.33 C74.1 101.02,7.4 99.62,7.4 ; 211.09,53 D39.3 ; 198.28,58.3 C90.1 ; U14.15 v1(114.79,6.95) ; 253.95,33.95 D54.3 ; 258.75,57.95 C68.2 ; 145.55,26.79 145.5,26.84 C48.2 ; 123.8,56.5 R42.2 ; 203.9,38 C71.2 ; 273,14.9 D64.3 ; v1(70.72,56.1) U3.33 ; 172.99,53.1 D37.3 ; 56.31,15 D58.3 ; 120.6,33.95 D47.3 ; 28.75,42.45 v1(29.69,42.45) ; 196.8,91.15 D11.3 ; U14.20 v1(111.51,4.95) ; v1(187.89,57.85) U6.25
  Bottom w0.8: v1(278.8,25.88) 278.8,27.3 ; 84.4,83.8 v1(84.4,82.33) ; 129.55,7.5 v1(128.12,7.5) ; 78.85,65.45 v1(78.85,63.98) ; 132.98,58.8 v1(134.23,58.8) ; 132.98,58.8 C99.2 ; 132.98,58.8 C98.2 ; 132.98,58.8 132.8,58.8 ; v1(133.53,53.05) D35.3 134.95,53.05 ; 107.4,27.4 v1(107.4,25.97) ; 41.45,45.75 v1(39.97,45.75) ; v1(240.7,26.03) 240.7,27.45 ; 8.75,14.85 v1(7.32,14.85) ; 246.25,64.8 v1(244.78,64.8) ; 133.05,55.3 v1(134.06,56.31) ; C1.2 v1(12.15,83.15) 13.45,81.85 v1(15.7,81.85) ; v1(252.68,33.95) 254.1,33.95 ; v1(195.43,14.9) 196.85,14.9 ; 179.65,83.8 v1(179.65,82.33) ; C111.2 123.42,73.1 U21.11 ; v1(233.62,33.95) 235.05,33.95 ; 107.4,84.55 v1(107.4,83.08) ; 29.9,40.8 C76.1 v1(28.47,40.8) ; v1(62.15,6.83) 62.15,8.25 ; v1(176.38,33.95) 177.8,33.95 ; v1(266.95,44.97) 266.95,46.45 ; v1(84.4,25.33) MW45.3 84.4,26.75 ; 21.95,73.38 v1(21.95,71.9) ; 19.3,46.45 v1(19.3,44.97) ; 45.67,75.9 v1(44.2,75.9) ; C103.2 122.2,63.35 ; 122.2,63.35 v1(120.77,63.35) ; 122.2,63.35 C102.2 122.2,59.88 C105.2 ; 198.15,58.3 v1(199.58,58.3) ; v1(12.03,53.05) D29.3 13.5,53.05 ; 269.35,84.5 v1(269.35,83.03) ; 189.15,64.7 v1(187.68,64.7) ; 278.75,8.35 v1(278.75,6.92) ; v1(57.33,53.05) D31.3 58.8,53.05 ; 155.8,45.75 v1(155.8,44.33) ; v1(119.27,33.95) 120.7,33.95 ; 202.65,27.35 v1(202.65,25.92) ; v1(249.18,60.45) C92.1 247.7,60.45 ; 82.05,56.25 v1(83.47,56.25) ; 262.95,45.7 v1(261.48,45.7) ; 123.6,72.95 v1(125.08,72.95) ; D42.3 v1(14.45,34) ; v1(250.25,63.98) 250.25,65.45 ; v1(15.7,81.85) C77.2 v1(15.7,81.85) ; 217.7,26.65 v1(216.28,26.65) ; 117.9,79.6 v1(117.9,81.08) ; v1(164.5,83.03) 164.5,84.5 ; v1(38.25,6.83) 38.25,8.25 ; v1(214.48,91.15) D12.3 215.95,91.15 ; C81.2 C84.2 120.08,11.99 C85.2 120.45,12.45 ; 202.6,8.35 v1(202.6,6.92) ; v1(157.38,34) D49.3 158.8,34 ; 74.85,64.75 v1(73.38,64.75) ; v1(157.65,12.75) U18.2 157.65,13.7 ; v1(262.12,91.15) 263.6,91.15 ; 120.1,79.65 v1(120.1,81.12) ; C83.2 v1(120.45,13.85) 120.45,12.45 ; v1(97.9,63.92) 97.9,65.4 ; v1(259.85,25.92) 259.85,27.35 ; 240.7,8.25 v1(240.7,6.83) ; 116,9.2 v1(114.58,9.2) ; 10.55,7.6 v1(9.13,7.6) ; 206.4,72.05 v1(204.93,72.05) ; 274.9,7.9 MW64.3 v1(274.9,6.47) ; 60.5,45.7 v1(59.02,45.7) ; 136.75,45.8 v1(136.75,44.38) ; 168.35,72.05 v1(166.88,72.05) ; 155.15,13.1 v1(155.15,14.53) ; v1(64.55,44.97) 64.55,46.45 ; D7.3 v1(119.17,91.15) ; 215.95,14.95 D61.3 v1(214.53,14.95) ; 31.2,84.55 v1(31.2,83.08) ; 69.25,27.35 v1(69.25,25.92) ; 155.05,65.45 v1(155.05,63.98) ; 44.55,34 D43.3 v1(43.12,34) ; 50.25,84.6 v1(50.25,83.12) ; 110.8,18.2 v1(112.23,18.2) ; 119.4,58.15 v1(120.83,58.15) ; 54.15,37.7 v1(54.15,39.12) ; 227.2,64.85 v1(225.73,64.85) ; MW12.3 v1(217.75,82.38) ; 40.75,65.45 v1(40.75,63.98) ; 261.15,53.05 D41.3 v1(259.73,53.05) ; 39.8,53.05 D30.3 v1(38.33,53.05) 37.78,53.05 36,54.83 U10.2 v1(36,56.25) ; v1(116.9,63.98) 116.9,65.45 ; v1(221.75,25.97) 221.75,27.4 ; U20.11 127.67,58.65 127.67,56.42 v1(127.65,56.4) 127.67,56.38 C106.2 ; 234.9,14.95 v1(233.48,14.95) ; 198.7,26.75 v1(197.28,26.75) ; 123.8,56.5 v1(124.55,56.5) ; v1(271.62,14.9) 273.05,14.9 ; 217.8,7.65 v1(217.8,6.22) ; 232.15,45.75 MW40.3 v1(230.73,45.75) ; v1(197.83,56.3) 196.4,56.3 ; v1(252.68,14.9) 254.1,14.9 ; 81.15,57.7 U12.2 v1(81.15,58.7) ; 265.4,83.85 v1(265.4,82.38) ; v1(140.75,44.92) 140.75,46.35 ; 161.7,58.75 v1(163.12,58.75) ; 211.1,53 v1(209.68,53) ; 196.8,91.15 v1(195.33,91.15) ; 160.6,26.75 v1(159.18,26.75) ; v1(145.55,26.08) 145.55,27.5 ; 164.55,27.35 v1(164.55,25.92) ; 215.95,33.95 v1(214.53,33.95) ; R30.2 159.2,57.46 U17.2 ; 183.6,84.55 v1(183.6,83.08) ; D1.3 v1(4.88,91.15) ; 139.7,34.05 v1(138.28,34.05) ; 235.95,46.5 v1(235.95,45.08) ; 122.1,61.35 v1(120.67,61.35) ; 145.5,84.55 v1(145.5,83.08) ; 202.65,84.55 v1(202.65,83.08) ; 27.2,83.6 v1(25.72,83.6) ; 98.7,45.8 v1(97.27,45.8) ; C96.2 22.7,74.17 U19.9 ; D2.3 25.4,91.95 v1(25.55,92.1) ; 160.65,83.75 v1(160.65,82.28) ; 102.65,46.4 v1(102.65,44.97) ; v1(121.02,83.65) 122.5,83.65 ; 212.15,65.45 v1(212.15,63.98) ; v1(114.52,53.05) D34.3 115.95,53.05 ; 274.05,65.45 v1(274.05,63.98) ; D46.3 v1(100.17,34) ; 255.8,7.8 v1(255.8,6.38) ; 55.8,64.7 v1(54.33,64.7) ; 50.25,27.4 v1(50.25,25.97) ; v1(224.03,72.15) 225.5,72.15 ; 160.05,56.65 v1(161.48,56.65) ; v1(257.38,57.95) 258.85,57.95 ; v1(133.55,6.83) 133.55,8.25 ; 34.4,7.6 v1(34.4,6.17) ; 187.4,72.1 v1(185.93,72.1) ; 126.45,84.5 v1(126.45,83.03) ; 45.5,46.45 v1(45.5,44.97) ; v1(271.73,34) D55.3 273.15,34 ; v1(31.13,14.85) 32.55,14.85 ; 15.3,45.7 v1(13.82,45.7) ; 65.35,26.65 v1(63.92,26.65) ; 141.55,26.65 v1(140.12,26.65) ; v1(228.82,53.05) D40.3 230.25,53.05 ; D45.3 v1(81.12,34) ; v1(55.02,15) 56.45,15 ; 158.7,91.15 v1(157.23,91.15) ; 236.8,83.8 v1(236.8,82.33) ; 120.2,9 v1(121.62,9) ; v1(233.53,91.15) D13.3 235,91.15 ; 112.95,64.8 v1(111.48,64.8) ; v1(76.47,53.05) D32.3 77.9,53.05 ; 153.8,53.05 v1(152.38,53.05) ; v1(26.65,40.03) 26.65,41.45 ; 120.45,12.45 v1(121.87,12.45) ; 136,65.5 v1(136,64.03) ; 59.75,65.5 v1(59.75,64.03) ; v1(16.9,64.03) 16.9,65.5 ; v1(189.93,75.95) 191.4,75.95 ; 195.65,57.75 U11.2 195.65,57.75 ; 195.65,57.75 195.65,57.2 R7.2 ; v1(183.65,25.88) 183.65,27.3 ; v1(251.23,58.8) R23.2 248.89,57.94 U16.2 ; 127.8,14.9 v1(126.37,14.9) ; 88.35,27.35 v1(88.35,25.92) ; 103.5,83.75 v1(103.5,82.28) ; 204,38 v1(202.58,38) ; 111.1,72.15 v1(109.62,72.15) ; v1(159.8,44.88) 159.8,46.3 ; 14.5,8.35 v1(14.5,6.92) ; 196.9,34 D51.3 v1(195.48,34) ; 53.9,72.1 v1(52.42,72.1) ; D44.3 v1(62.08,34) ; 188.85,18.35 C72.2 v1(187.43,18.35) ; 83.65,58.35 v1(85.08,58.35) ; 38.5,55.8 v1(39.9,55.8) ; 127.5,38.05 C70.2 v1(126.08,38.05) ; D4.3 v1(62.02,91.15) ; 117.85,56.15 v1(119.27,56.15) ; 133.05,62.1 v1(134.48,62.1) ; v1(243.03,72.05) 244.5,72.05 ; 179.6,26.65 v1(178.18,26.65) ; 231.2,65.45 v1(231.2,63.98) ; 221.7,8.3 v1(221.7,6.88) ; 216.95,46.4 v1(216.95,44.97) ; 208.1,64.85 v1(206.62,64.85) ; 118.45,74.25 v1(119.49,73.21) ; 117.7,45.65 v1(116.27,45.65) ; 111.55,76.2 v1(111.55,77.67) ; v1(107.2,8.55) 108.1,8.55 ; 58.1,7.75 v1(56.67,7.75) ; 126.5,27.35 v1(126.5,25.92) ; 79.6,45.7 v1(79.6,44.28) ; 46.3,83.75 v1(46.3,82.28) ; D3.3 v1(42.97,91.15) ; 221.7,84.6 v1(221.7,83.12) ; 270,64.75 v1(268.53,64.75) ; v1(9.72,72.1) D15.3 11.2,72.1 ; 83.55,46.35 v1(83.55,44.92) ; D10.3 v1(176.33,91.15) ; v1(174.05,63.98) 174.05,65.45 ; 101.5,91.1 v1(100.02,91.1) ; 233.8,58.1 U13.2 233.8,58.1 ; 233.8,58.1 233.8,57.47 234.62,56.65 ; 197.9,46.3 v1(197.9,44.88) ; 12.95,64.75 v1(11.47,64.75) ; 17.65,26.6 v1(16.22,26.6) ; 121.65,46.5 v1(121.65,45.08) ; 110.19,9.2 v1(111.61,9.2) ; 69.3,84.55 v1(69.3,83.08) ; 96.95,53.05 D33.3 v1(95.52,53.05) ; 234.62,56.65 234.55,56.65 ; 234.62,56.65 v1(235.98,56.65) ; v1(198.7,6.28) MW60.3 198.7,7.7 ; 108.1,11.7 v1(106.67,11.7) ; 259.8,8.3 v1(259.8,6.88) ; 240.75,84.5 v1(240.75,83.03) ; v1(71.58,72.1) D18.3 73.05,72.1 ; 192.1,53.05 D38.3 v1(190.68,53.05) ; MW46.3 v1(103.45,25.28) ; v1(178.8,45.03) 178.8,46.45 ; v1(193.15,64.03) 193.15,65.5 ; 88.35,84.5 v1(88.35,83.03) ; v1(128.78,72.1) D21.3 130.25,72.1 ; v1(266.88,72.1) D28.3 268.35,72.1 ; 132,64.8 v1(130.53,64.8) ; 141.55,83.7 v1(141.55,82.22) ; 151.05,64.85 v1(149.58,64.85) ; v1(90.77,72.1) D19.3 92.25,72.1 ; 82.5,91.15 v1(81.02,91.15) ; MW1.3 v1(8.2,82.38) ; 36.7,64.75 v1(35.22,64.75) ; 174.95,45.6 v1(173.53,45.6) ; 170.1,64.7 v1(168.62,64.7) ; 34.85,72.1 v1(33.38,72.1) ; v1(171.62,53.1) 173.05,53.1 ; 193.85,45.7 v1(192.43,45.7) ; D8.3 v1(138.23,91.15) ; 46.3,26.65 v1(44.88,26.65) ; 21.7,27.4 v1(21.7,25.97) ; 236.35,58.7 v1(237.78,58.7) ; 236.8,7.7 MW62.3 v1(236.8,6.28) ; MW47.3 v1(121.08,26.7) ; 198.7,83.8 v1(198.7,82.33) ; 117,57.7 v1(117,58.41) ; 65.35,83.8 v1(65.35,82.33) ; 149.2,72.1 v1(147.73,72.1) ; 29.03,76.85 v1(30.5,76.85) ; 255.85,26.6 v1(254.43,26.6) ; 93.9,64.65 v1(92.42,64.65) ; 25.5,75.12 C94.2 v1(25.5,73.65) ; 213,45.65 v1(211.58,45.65) ; 274.9,26.65 v1(273.48,26.65) ; 236.8,26.65 v1(236.8,25.22)
  vias: v1(17.7,90.1) v1(17.88,86.81) v1(18.65,90.1) v1(19.35,86.1) v1(25.55,57.35) v1(25.55,56.1) v1(25.55,54.85) v1(26.8,57.35) v1(26.8,56.1) v1(26.8,54.85) v1(28.05,57.35) v1(28.05,56.1) v1(28.05,54.85) v1(69.47,57.35) v1(69.47,56.1) v1(69.47,54.85) v1(70.72,57.35) v1(70.72,54.85) v1(71.97,57.35) v1(71.97,56.1) v1(71.97,54.85) v1(86.42,10.7) v1(106.2,57.3) v1(106.2,56.05) v1(106.2,54.8) v1(107.45,57.3) v1(107.45,56.05) v1(107.45,54.8) v1(108.7,57.3) v1(108.7,56.05) v1(108.7,54.8) v1(146.2,57.25) v1(146.2,56) v1(146.2,54.75) v1(147.45,57.25) v1(147.45,56) v1(147.45,54.75) v1(148.7,57.25) v1(148.7,56) v1(148.7,54.75) v1(165.59,13.65) v1(165.59,12.4) v1(166.84,13.65) v1(166.84,11.15) v1(168.09,13.65) v1(168.09,12.4) v1(168.09,11.15) v1(183.2,57.35) v1(183.2,56.1) v1(183.2,54.85) v1(184.45,57.35) v1(184.45,56.1) v1(184.45,54.85) v1(185.7,57.35) v1(185.7,56.1) v1(185.7,54.85) v1(221.6,57.35) v1(221.6,56.1) v1(221.6,54.85) v1(222.85,57.35) v1(222.85,56.1) v1(222.85,54.85) v1(224.1,57.35) v1(224.1,56.1) v1(224.1,54.85) v1(247.56,48.3) v1(247.56,47.05) v1(247.56,45.8) v1(248.81,48.3) v1(248.81,47.05) v1(248.81,45.8) v1(250.06,48.3) v1(250.06,47.05) v1(250.06,45.8)
